# Altium PCB CU-ON-OFF-V2-08-11-18.PcbDoc (part 7 of 14) (continued)
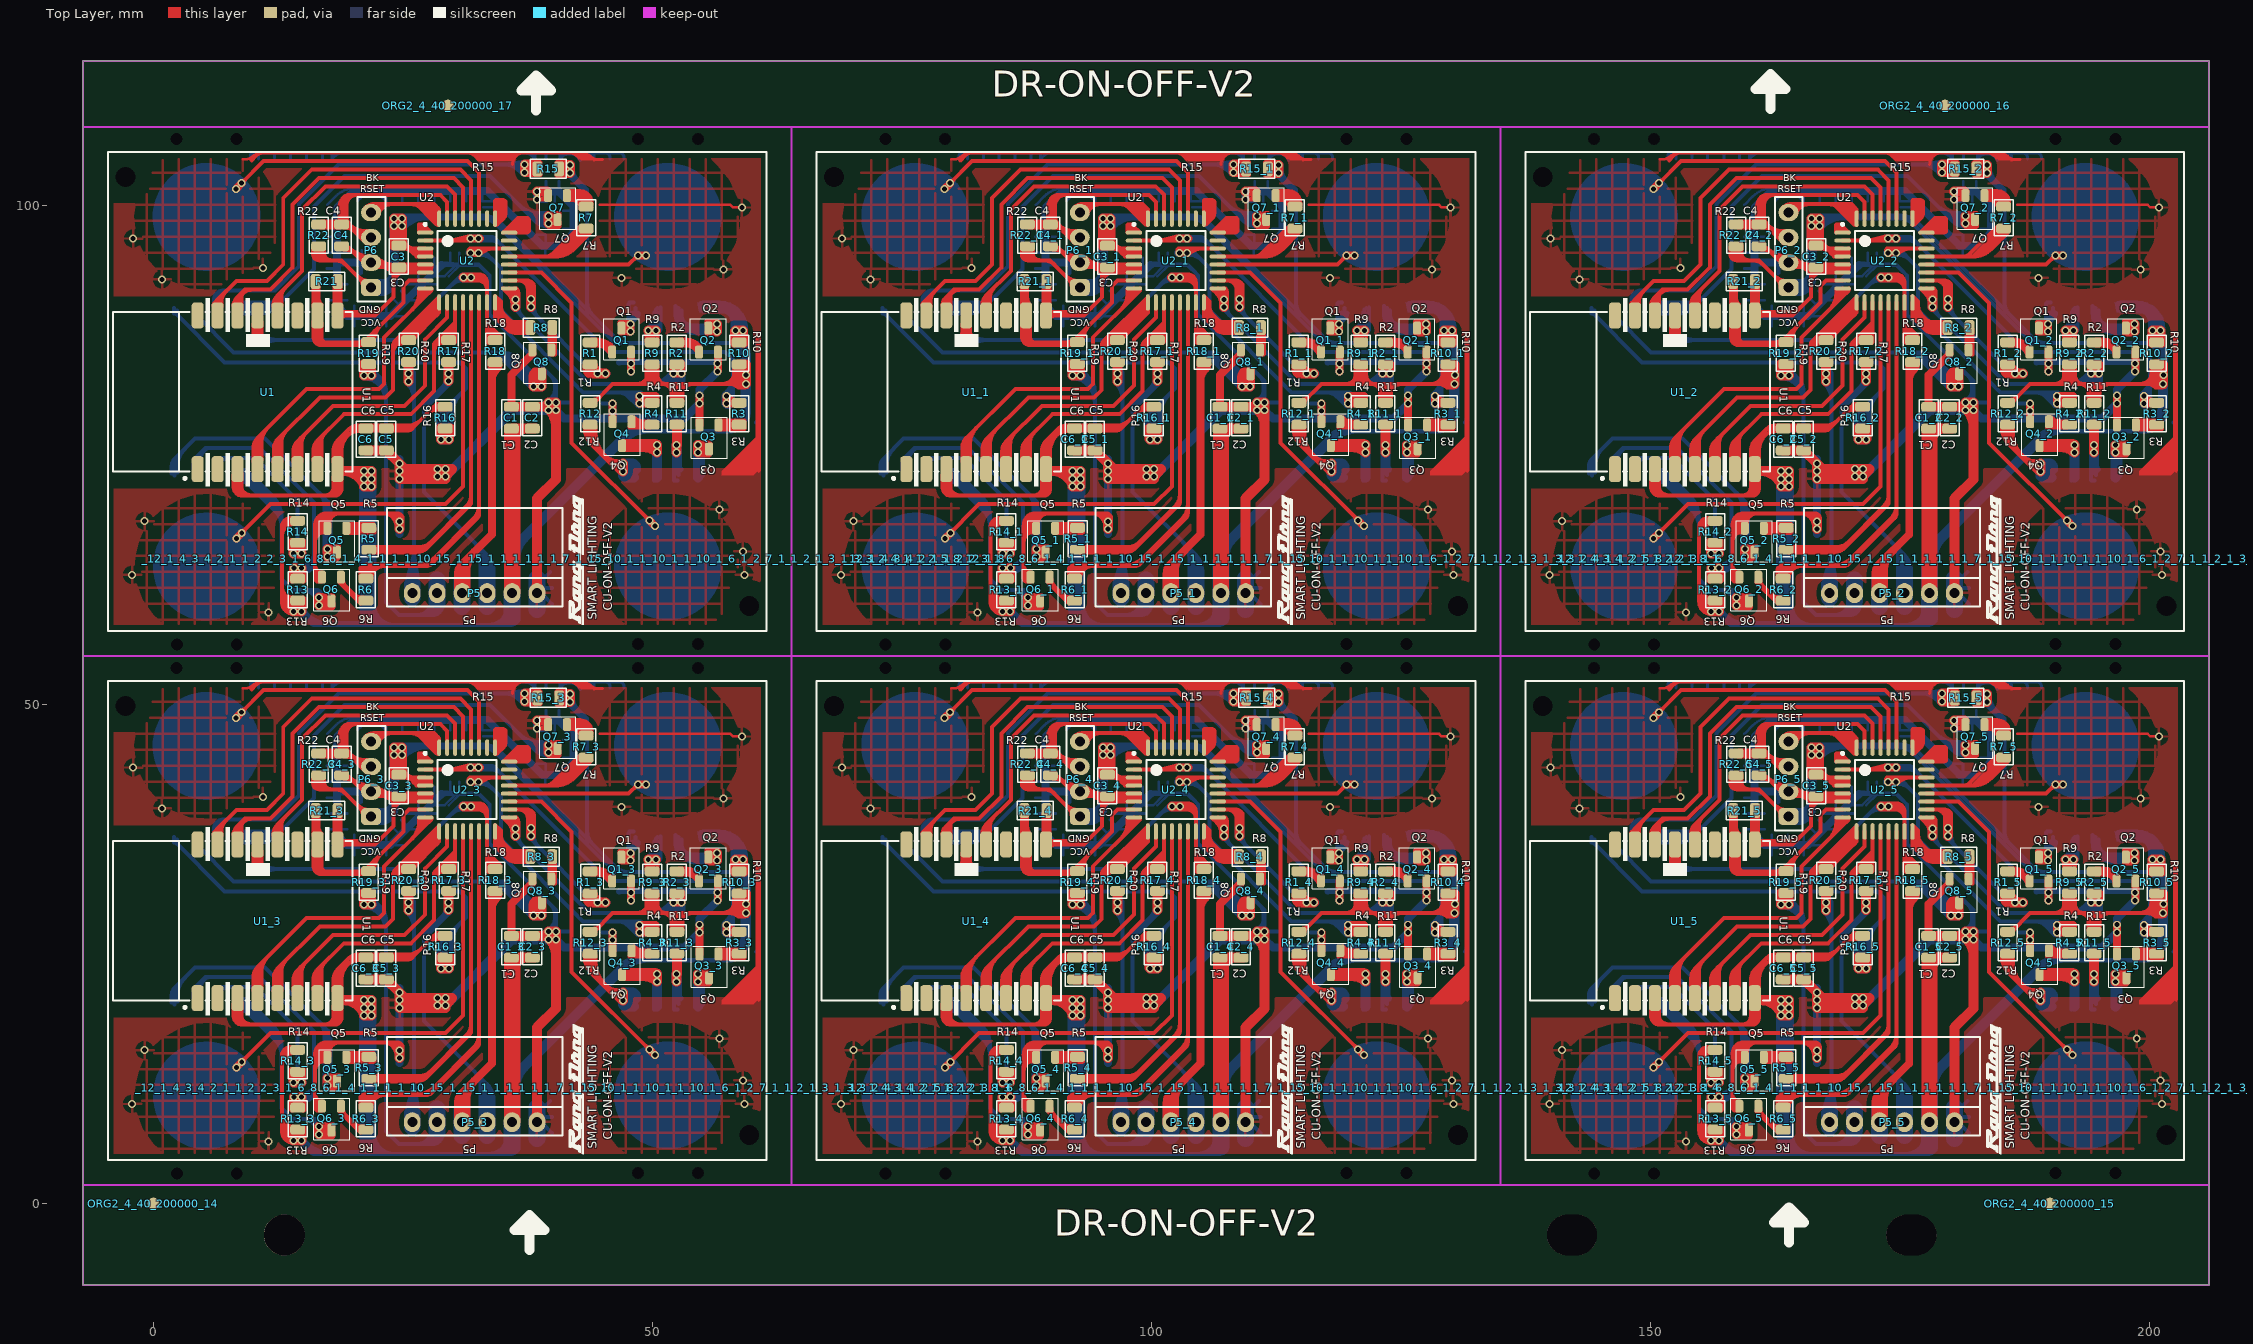
[diagram p0: Top Layer view]
## Nets (pads, with @x,y where several pads share a name; then routed paths per layer and width w, separated by ;. In a path a pad name is that pad's centre, name@x,y a point inside that pad or via, vN(x,y) a via of type N, cw(c..) or ccw(c..) an arc to the next point about the centre after c; other vN are vias at no path point) (continued)
v1@180.116,90.356 180.116,91.929 ccw(c179.689,91.929) 179.991,92.231 ccw(c179.387,91.627) 179.387,92.481 179.291,92.481 ; 180.216,50.057 180.281,50.057 cw(c180.281,49.972) 180.341,50.032 180.706,50.032 ccw(c180.706,50.117) 180.766,50.057 180.766,51.297 ccw(c180.681,51.297) 180.741,51.357 ccw(c180.62,51.236) 180.62,51.407 ; 180.216,103.056 180.281,103.056 cw(c180.281,102.971) 180.341,103.031 180.706,103.031 ccw(c180.706,103.116) 180.766,103.056 180.766,104.296 ccw(c180.681,104.296) 180.741,104.356 ccw(c180.62,104.235) 180.62,104.406 ; 180.238,26.832 cw(c180.238,25.154) 181.424,26.341 cw(c179.876,24.792) 182.066,24.792 ; 180.238,79.831 cw(c180.238,78.153) 181.424,79.34 cw(c179.876,77.791) 182.066,77.791 ; 180.241,24.332 179.259,24.332 ccw(c179.259,23.564) 178.716,24.107 ; 180.241,77.331 179.259,77.331 ccw(c179.259,76.563) 178.716,77.106 ; 180.254,50.445 ccw(c179.742,49.933) 179.742,50.657 ccw(c179.742,51.381) 180.254,50.869 ; 180.254,103.444 ccw(c179.742,102.932) 179.742,103.656 ccw(c179.742,104.38) 180.254,103.868 ; v1(180.416,47.607) 181.691,47.607 181.541,47.757 181.541,47.982 ; v1(180.416,100.606) 181.691,100.606 181.541,100.756 181.541,100.981 ; 180.428,26.62 cw(c180.94,26.108) 180.94,26.832 cw(c180.94,27.556) 180.428,27.044 ; 180.428,79.619 cw(c180.94,79.107) 180.94,79.831 cw(c180.94,80.555) 180.428,80.043 ; 180.466,50.657 179.982,50.657 ; 180.466,103.656 179.982,103.656 ; v1@180.525,47.775 ccw(c180.89,48.337) 181.064,47.689 ; v1@180.525,100.774 ccw(c180.89,101.336) 181.064,100.688 ; v1@180.557,47.466 cw(c180.899,47.124) 180.899,47.607 cw(c180.899,48.09) v1@180.557,47.748 ; v1@180.557,100.465 cw(c180.899,100.123) 180.899,100.606 cw(c180.899,101.089) v1@180.557,100.747 ; v1@180.724,29.023 ccw(c180.262,29.486) 180.916,29.486 ; v1@180.724,82.022 ccw(c180.262,82.485) 180.916,82.485 ; v1@180.756,47.607 ccw(c180.756,48.517) 181.399,47.873 ; v1@180.756,100.606 ccw(c180.756,101.516) 181.399,100.872 ; 180.774,29.741 cw(c180.433,29.399) 180.916,29.399 cw(c181.399,29.399) 181.057,29.741 ; 180.774,82.74 cw(c180.433,82.398) 180.916,82.398 cw(c181.399,82.398) 181.057,82.74 ; 180.916,30.132 180.916,28.907 v1@180.941,28.882 ; 180.916,83.131 180.916,81.906 v1@180.941,81.881 ; 181.023,26.832 ccw(c181.023,27.8) v1@181.707,27.116 ; 181.023,79.831 ccw(c181.023,80.799) v1@181.707,80.115 ; 181.116,30.582 cw(c180.995,30.461) 181.166,30.461 181.166,29.582 ; 181.116,83.581 cw(c180.995,83.46) 181.166,83.46 181.166,82.581 ; 181.204,26.832 cw(c181.204,26.12) 181.707,26.623 cw(c180.842,25.758) 182.066,25.758 ; 181.204,79.831 cw(c181.204,79.119) 181.707,79.622 cw(c180.842,78.757) 182.066,78.757 ; 181.341,41.882 ccw(c181.341,42.848) 182.024,42.165 184.816,44.957 ; 181.341,94.881 ccw(c181.341,95.847) 182.024,95.164 184.816,97.956 ; v1@181.369,27.29 ccw(c181.887,27.204) v1@181.515,26.833 ; v1@181.369,80.289 ccw(c181.887,80.203) v1@181.515,79.832 ; v1@181.405,45.284 cw(c181.962,44.911) 181.962,45.582 ; v1@181.405,98.283 cw(c181.962,97.91) 181.962,98.581 ; v1@181.412,45.827 ccw(c181.906,46.202) 181.906,45.582 ; v1@181.412,98.826 ccw(c181.906,99.201) 181.906,98.581 ; v1@181.566,44.857 182.57,44.857 ccw(c182.57,45.028) 182.691,44.907 182.691,45.332 ; v1@181.566,46.257 182.606,46.257 cw(c182.606,46.172) 182.666,46.232 cw(c182.606,46.172) 182.691,46.172 182.691,45.907 ; v1@181.566,97.856 182.57,97.856 ccw(c182.57,98.027) 182.691,97.906 182.691,98.331 ; v1@181.566,99.256 182.606,99.256 cw(c182.606,99.171) 182.666,99.231 cw(c182.606,99.171) 182.691,99.171 182.691,98.906 ; v1@181.571,45.748 cw(c181.571,45.265) 181.912,45.607 cw(c182.254,45.948) v1@181.771,45.948 ; v1(181.571,45.948) 181.937,45.582 182.491,45.582 ; v1@181.571,98.747 cw(c181.571,98.264) 181.912,98.606 cw(c182.254,98.947) v1@181.771,98.947 ; v1(181.571,98.947) 181.937,98.581 182.491,98.581 ; 181.666,32.632 181.666,34.597 cw(c181.751,34.597) 181.691,34.657 ; 181.666,85.631 181.666,87.596 cw(c181.751,87.596) 181.691,87.656 ; v1@181.679,26.317 cw(c181.851,26.068) 182.066,26.282 cw(c182.832,27.048) v1@181.763,27.224 ; v1@181.679,79.316 cw(c181.851,79.067) 182.066,79.281 cw(c182.832,80.047) v1@181.763,80.223 ; 181.724,32.923 ccw(c181.142,33.506) 181.966,33.506 ; 181.724,85.922 ccw(c181.142,86.505) 181.966,86.505 ; 181.754,34.295 cw(c181.242,33.783) 181.966,33.783 cw(c182.69,33.783) 182.178,34.295 ; 181.754,87.294 cw(c181.242,86.782) 181.966,86.782 cw(c182.69,86.782) 182.178,87.294 ; 181.866,32.082 182.241,32.082 ccw(c182.181,32.142) 182.266,32.142 182.266,34.607 ; 181.866,32.332 181.966,32.432 181.966,34.607 ; 181.866,85.081 182.241,85.081 ccw(c182.181,85.141) 182.266,85.141 182.266,87.606 ; 181.866,85.331 181.966,85.431 181.966,87.606 ; 182.066,25.335 cw(c183.488,25.335) v1@182.482,26.341 ; 182.066,46.232 cw(c182.006,46.172) 182.091,46.172 182.091,44.907 ; 182.066,78.334 cw(c183.488,78.334) v1@182.482,79.34 ; 182.066,99.231 cw(c182.006,99.171) 182.091,99.171 182.091,97.906 ; v1@182.27,26.669 cw(c182.019,27.336) 181.516,26.832 182.341,26.007 ; v1@182.27,79.668 cw(c182.019,80.334) v1@181.516,79.831 ; 182.341,79.006 v1@181.516,79.831 ; 182.349,45.441 ccw(c182.008,45.099) 182.008,45.582 ccw(c182.008,46.065) 182.349,45.723 ; 182.349,98.44 ccw(c182.008,98.098) 182.008,98.581 ccw(c182.008,99.064) 182.349,98.722 ; 182.366,50.257 182.366,50.067 ccw(c182.451,50.067) 182.391,50.007 ccw(c182.512,50.128) 182.512,49.957 182.841,49.957 ; 182.366,103.256 182.366,103.066 ccw(c182.451,103.066) 182.391,103.006 ccw(c182.512,103.127) 182.512,102.956 182.841,102.956 ; 182.391,51.007 182.391,51.122 ccw(c182.306,51.122) 182.366,51.182 182.366,51.247 cw(c182.451,51.247) 182.391,51.307 cw(c182.451,51.247) 182.451,51.332 182.791,51.332 ; 182.391,104.006 182.391,104.121 ccw(c182.306,104.121) 182.366,104.181 182.366,104.246 cw(c182.451,104.246) 182.391,104.306 cw(c182.451,104.246) 182.451,104.331 182.791,104.331 ; 182.666,50.996 182.666,50.657 183.049,51.04 v1(183.722,51.04) ; 182.666,103.995 182.666,103.656 183.049,104.039 v1(183.722,104.039) ; 182.878,50.695 cw(c183.711,49.862) v1@183.711,51.04 ; 182.878,103.694 cw(c183.711,102.861) v1@183.711,104.039 ; 183.216,42.807 185.091,44.682 185.516,44.682 ; 183.216,95.806 185.091,97.681 185.516,97.681 ; 183.248,50.916 cw(c183.376,50.44) v1@183.622,50.867 ; 183.248,103.915 cw(c183.376,103.439) v1@183.622,103.866 ; 183.262,50.92 ccw(c183.14,51.377) v1@183.549,51.14 ; 183.262,103.919 ccw(c183.14,104.375) v1@183.549,104.139 ; 183.291,42.882 182.291,41.882 ; 183.291,47.532 184.104,47.532 cw(c184.104,47.02) 184.466,47.382 184.551,47.297 cw(c183.911,46.657) 184.816,46.657 ; 183.291,95.881 182.291,94.881 ; 183.291,100.531 184.104,100.531 cw(c184.104,100.019) 184.466,100.381 184.551,100.296 cw(c183.911,99.656) 184.816,99.656 ; 183.416,48.307 ccw(c183.416,48.548) 183.587,48.378 cw(c183.718,48.247) 183.718,48.432 184.721,48.432 cw(c184.721,47.237) 185.566,48.082 cw(c184.721,47.237) 185.916,47.237 185.916,47.082 ; 183.416,101.306 ccw(c183.416,101.547) 183.587,101.377 cw(c183.718,101.246) 183.718,101.431 184.721,101.431 cw(c184.721,100.236) 185.566,101.081 cw(c184.721,100.236) 185.916,100.236 185.916,100.081 ; 183.441,47.982 184.416,47.982 ; 183.441,100.981 184.416,100.981 ; v1@183.581,50.899 ccw(c183.24,50.557) 183.24,51.04 ccw(c183.24,51.523) v1@183.581,51.181 ; v1@183.581,103.898 ccw(c183.24,103.556) 183.24,104.039 ccw(c183.24,104.522) v1@183.581,104.18 ; 183.582,47.841 cw(c183.924,47.499) 183.924,47.982 cw(c183.924,48.465) 183.582,48.123 ; 183.582,100.84 cw(c183.924,100.498) 183.924,100.981 cw(c183.924,101.464) 183.582,101.122 ; 184.561,44.152 cw(c185.116,43.597) 185.116,44.382 ; 184.561,97.151 cw(c185.116,96.596) 185.116,97.381 ; 184.621,44.213 ccw(c184.152,44.682) 184.816,44.682 ; 184.621,97.212 ccw(c184.152,97.681) 184.816,97.681 ; 184.817,46.904 ccw(c183.439,47.005) 184.416,47.982 ; 184.817,99.903 ccw(c183.439,100.004) 184.416,100.981 ; 185.216,24.957 185.216,24.76 ; 185.216,30.982 185.216,30.611 ccw(c186.069,30.611) 185.466,30.007 ccw(c185.768,30.309) 185.768,29.882 v1@187.166,29.882 ; 185.216,77.956 185.216,77.759 ; 185.216,83.981 185.216,83.61 ccw(c186.069,83.61) 185.466,83.006 ccw(c185.768,83.308) 185.768,82.881 v1@187.166,82.881 ; 185.441,25.307 185.441,24.44 ccw(c186.124,24.44) 185.641,23.957 ; 185.441,78.306 185.441,77.439 ccw(c186.124,77.439) 185.641,76.956 ; 185.516,46.882 184.416,47.982 ; 185.516,99.881 184.416,100.981 ; 185.554,24.82 cw(c185.042,24.308) 185.766,24.308 cw(c186.49,24.308) 185.978,24.82 ; 185.554,77.819 cw(c185.042,77.307) 185.766,77.307 cw(c186.49,77.307) 185.978,77.819 ; 185.613,30.824 cw(c185.453,30.555) 185.766,30.555 ; 185.613,83.823 cw(c185.453,83.554) 185.766,83.554 ; 185.766,25.032 185.766,23.432 ; 185.766,27.232 186.141,27.232 188.009,29.1 v1(201.358,29.1) v1(201.383,30.025) v1@201.383,30.39 ; 185.766,31.082 185.766,30.555 ; 185.766,33.282 186.991,33.282 187.966,32.307 ; 185.766,78.031 185.766,76.431 ; 185.766,80.231 186.141,80.231 188.009,82.099 v1(201.358,82.099) v1(201.383,83.024) v1@201.383,83.389 ; 185.766,84.081 185.766,83.554 ; 185.766,86.281 186.991,86.281 187.966,85.306 ; 185.891,33.557 186.131,33.557 ccw(c186.131,33.642) 186.191,33.582 186.245,33.582 cw(c186.245,30.936) 188.116,32.807 ; 185.891,44.382 184.169,42.66 cw(c182.291,44.538) 182.291,41.882 ; 185.891,86.556 186.131,86.556 ccw(c186.131,86.641) 186.191,86.581 186.245,86.581 cw(c186.245,83.935) 188.116,85.806 ; 185.891,97.381 184.169,95.659 cw(c182.291,97.537) 182.291,94.881 ; 185.916,32.982 186.531,32.982 cw(c186.531,31.872) 187.316,32.657 187.554,32.419 cw(c187.042,31.907) 187.766,31.907 ; 185.916,85.981 186.531,85.981 cw(c186.531,84.871) 187.316,85.656 187.554,85.418 cw(c187.042,84.906) 187.766,84.906 ; 185.919,30.824 ccw(c186.079,30.555) 185.766,30.555 ; 185.919,83.823 ccw(c186.079,83.554) 185.766,83.554 ; 186.016,25.157 186.016,23.817 ccw(c186.763,23.817) 186.235,23.288 cw(c185.979,23.032) 186.341,23.032 ; 186.016,27.532 ccw(c186.016,28.558) 186.741,27.833 ; 186.016,78.156 186.016,76.816 ccw(c186.763,76.816) 186.235,76.287 cw(c185.979,76.031) 186.341,76.031 ; 186.016,80.531 ccw(c186.016,81.557) 186.741,80.832 ; v1@186.158,30.163 185.766,30.555 ; v1@186.158,83.162 185.766,83.554 ; 186.228,33.07 cw(c186.74,32.558) 186.74,33.282 cw(c186.74,34.006) 186.228,33.494 ; 186.228,86.069 cw(c186.74,85.557) 186.74,86.281 cw(c186.74,87.005) 186.228,86.493 ; 186.316,24.832 186.316,24.152 ccw(c189.382,24.152) 187.214,21.984 187.341,21.857 ccw(c188.427,22.943) 188.427,21.407 v1@189.091,21.407 ; 186.316,27.232 cw(c186.738,27.232) 186.44,27.531 ; 186.316,31.132 ccw(c186.98,31.132) 186.51,30.663 ccw(c187.007,31.159) 187.007,30.457 v1@187.241,30.457 ; 186.316,77.831 186.316,77.151 ccw(c189.382,77.151) 187.214,74.983 187.341,74.856 ccw(c188.427,75.942) 188.427,74.406 v1@189.091,74.406 ; 186.316,80.231 cw(c186.738,80.231) 186.44,80.53 ; 186.316,84.131 ccw(c186.98,84.131) 186.51,83.662 ccw(c187.007,84.158) 187.007,83.456 v1@187.241,83.456 ; v1@186.466,30.364 cw(c186.284,31.073) 185.766,30.555 ; v1@186.466,83.363 cw(c186.284,84.072) 185.766,83.554 ; 187.198,33.075 ccw(c187.966,33.843) 187.966,32.757 ; 187.198,86.074 ccw(c187.966,86.842) 187.966,85.756 ; v1@187.866,26.259 cw(c187.506,25.898) 188.016,25.898 ; v1@187.866,26.541 ccw(c187.506,26.902) v1@188.016,26.902 ; v1@187.866,27.034 cw(c187.506,26.673) v1@188.016,26.673 ; v1@187.866,79.258 cw(c187.506,78.897) 188.016,78.897 ; v1@187.866,79.54 ccw(c187.506,79.901) v1@188.016,79.901 ; v1@187.866,80.033 cw(c187.506,79.672) v1@188.016,79.672 ; 187.874,25.723 ccw(c187.533,26.065) 188.016,26.065 ccw(c188.499,26.065) 188.157,25.723 ; 187.874,78.722 ccw(c187.533,79.064) 188.016,79.064 ccw(c188.499,79.064) 188.157,78.722 ; v1@187.898,26.233 cw(c187.772,26.041) 187.994,25.982 ; v1@187.898,79.232 cw(c187.772,79.04) 187.994,78.981 ; v1(188.008,27.175) v1@188.016,27.167 ; v1(188.008,80.174) v1@188.016,80.166 ; 188.016,25.937 cw(c188.471,25.937) v1@188.149,26.259 ; v1@188.016,26.712 cw(c188.471,26.712) v1@188.149,27.034 ; v1@188.016,26.864 ccw(c188.471,26.864) v1@188.149,26.541 ; 188.016,78.936 cw(c188.471,78.936) v1@188.149,79.258 ; v1@188.016,79.711 cw(c188.471,79.711) v1@188.149,80.033 ; v1@188.016,79.862 ccw(c188.471,79.862) v1@188.149,79.54 ; v1@188.044,26.758 cw(c188.284,26.822) v1@188.131,27.018 ; v1@188.044,79.757 cw(c188.284,79.821) v1@188.131,80.016 ; 188.045,25.956 cw(c188.32,26.029) v1@188.137,26.247 ; 188.045,78.955 cw(c188.32,79.028) v1@188.137,79.246 ; 188.716,34.207 ccw(c188.837,34.328) 188.837,34.157 v1@189.816,34.157 ; 188.716,35.057 188.716,35.307 cw(c188.776,35.247) 188.776,35.332 v1@189.791,35.332 ; 188.716,87.206 ccw(c188.837,87.327) 188.837,87.156 v1@189.816,87.156 ; 188.716,88.056 188.716,88.306 cw(c188.776,88.246) 188.776,88.331 v1@189.791,88.331 ; 188.782,34.808 ccw(c189.13,35.195) 189.498,34.827 ; 188.782,87.807 ccw(c189.13,88.194) 189.498,87.826 ; 188.791,23.182 192.545,23.182 ccw(c192.545,23.353) 192.666,23.232 ccw(c192.304,22.87) 192.304,23.382 188.966,23.382 ; 188.791,76.181 192.545,76.181 ccw(c192.545,76.352) 192.666,76.231 ccw(c192.304,75.869) 192.304,76.381 188.966,76.381 ; v1@188.916,20.984 ccw(c188.575,20.642) 188.575,21.125 ccw(c188.575,21.608) v1@188.916,21.266 ; v1@188.916,73.983 ccw(c188.575,73.641) 188.575,74.124 ccw(c188.575,74.607) v1@188.916,74.265 ; 188.966,22.932 192.39,22.932 v1(192.458,23) ; 188.966,75.931 192.39,75.931 v1(192.458,75.999) ; 189.05,35.106 ccw(c189.413,35.508) v1(189.796,35.125) 189.378,34.707 ; 189.05,88.105 ccw(c189.413,88.507) v1(189.796,88.124) 189.378,87.706 ; v1(189.058,21.125) 188.073,21.125 185.766,23.432 ; v1(189.058,74.124) 188.073,74.124 185.766,76.431 ; 189.062,34.57 cw(c189.378,34.274) 189.378,34.707 ; 189.062,34.844 ccw(c189.378,35.141) 189.378,34.707 ; 189.062,87.569 cw(c189.378,87.272) 189.378,87.706 ; 189.062,87.843 ccw(c189.378,88.139) 189.378,87.706 ; 189.091,22.507 189.106,22.507 cw(c189.106,22.422) 189.166,22.482 191.154,22.482 cw(c191.154,20.946) v1@192.241,22.032 ; 189.091,75.506 189.106,75.506 cw(c189.106,75.421) 189.166,75.481 191.154,75.481 cw(c191.154,73.945) v1@192.241,75.031 ; 189.107,22.791 cw(c189.449,22.449) 189.449,22.932 cw(c189.449,23.415) 189.107,23.073 ; 189.107,75.79 cw(c189.449,75.448) 189.449,75.931 cw(c189.449,76.414) 189.107,76.072 ; 189.21,34.661 ccw(c188.791,35.387) v1@189.602,35.176 ; 189.21,87.66 ccw(c188.791,88.386) v1@189.602,88.174 ; 189.291,22.682 191.623,22.682 cw(c191.623,21.914) v1@192.166,22.457 ; 189.291,75.681 191.623,75.681 cw(c191.623,74.913) v1@192.166,75.456 ; 189.443,34.796 ccw(c189.287,35.066) v1@189.597,35.102 ; 189.443,87.795 ccw(c189.287,88.065) v1@189.597,88.101 ; 189.485,34.707 ccw(c189.485,35.237) v1@189.984,35.057 ; 189.485,87.706 ccw(c189.485,88.236) v1@189.984,88.056 ; 189.548,34.707 cw(c189.548,34.233) v1@189.977,34.436 ; 189.548,87.706 cw(c189.548,87.232) v1@189.977,87.435 ; v1@189.596,35.125 cw(c189.113,35.125) 189.454,34.784 cw(c189.796,34.442) v1@189.796,34.925 ; v1@189.596,88.124 cw(c189.113,88.124) 189.454,87.783 cw(c189.796,87.441) v1@189.796,87.924 ; v1@189.608,35.193 cw(c188.916,35.442) 188.916,34.707 ; v1@189.608,88.192 cw(c188.916,88.441) 188.916,87.706 ; v1@189.615,34.264 ccw(c188.916,33.933) 188.916,34.707 ; v1@189.615,87.263 ccw(c188.916,86.932) 188.916,87.706 ; v1@189.716,30.516 ccw(c189.356,30.877) v1@189.866,30.877 ; v1@189.716,31.009 cw(c189.356,30.648) v1@189.866,30.648 ; v1@189.716,31.291 ccw(c189.356,31.652) 189.866,31.652 ; v1@189.716,83.515 ccw(c189.356,83.876) v1@189.866,83.876 ; v1@189.716,84.008 cw(c189.356,83.647) v1@189.866,83.647 ; v1@189.716,84.29 ccw(c189.356,84.651) 189.866,84.651 ; 189.724,31.916 cw(c189.383,31.574) 189.866,31.574 cw(c190.349,31.574) 190.007,31.916 ; 189.724,84.915 cw(c189.383,84.573) 189.866,84.573 cw(c190.349,84.573) 190.007,84.915 ; 189.741,25.032 189.741,24.817 cw(c189.656,24.817) 189.716,24.757 ccw(c189.776,24.817) 189.776,24.732 191.741,24.732 ; 189.741,78.031 189.741,77.816 cw(c189.656,77.816) 189.716,77.756 ccw(c189.776,77.816) 189.776,77.731 191.741,77.731 ; v1@189.866,30.686 cw(c190.321,30.686) v1@189.999,31.009 ; v1@189.866,30.839 ccw(c190.321,30.839) v1@189.999,30.516 ; 189.866,31.614 ccw(c190.321,31.614) v1@189.999,31.291 ; v1@189.866,83.685 cw(c190.321,83.685) v1@189.999,84.008 ; v1@189.866,83.838 ccw(c190.321,83.838) v1@189.999,83.515 ; 189.866,84.613 ccw(c190.321,84.613) v1@189.999,84.29 ; v1@189.894,30.792 ccw(c190.134,30.728) v1@189.981,30.533 ; v1@189.894,83.791 ccw(c190.134,83.727) v1@189.981,83.532 ; 189.916,25.332 191.666,25.332 ; 189.916,78.331 191.666,78.331 ; 190.057,25.191 cw(c190.399,24.849) 190.399,25.332 cw(c190.399,25.815) 190.057,25.473 ; 190.057,78.19 cw(c190.399,77.848) 190.399,78.331 cw(c190.399,78.814) 190.057,78.472 ; 190.166,25.757 ccw(c191.192,26.783) 191.192,25.332 191.666,25.332 ; 190.166,78.756 ccw(c191.192,79.782) 191.192,78.331 191.666,78.331 ; 190.182,41.644 cw(c190.558,41.269) v1@190.558,41.8 ; 190.182,94.643 cw(c190.558,94.268) v1@190.558,94.799 ; 190.231,41.693 ccw(c189.923,42) v1@190.358,42 ; 190.231,94.692 ccw(c189.923,94.999) v1@190.358,94.999 ; 190.267,25.332 cw(c190.267,23.584) 191.504,24.82 ; 190.267,78.331 cw(c190.267,76.583) 191.504,77.819 ; 190.391,29.1 190.404,29.1 ccw(c190.404,30.319) 191.266,29.457 ccw(c190.904,29.819) 191.416,29.819 191.416,31.107 ; 190.391,82.099 190.404,82.099 ccw(c190.404,83.318) 191.266,82.456 ccw(c190.904,82.818) 191.416,82.818 191.416,84.106 ; 190.585,25.247 ccw(c190.48,24.852) 190.101,25.006 191.382,25.006 cw(c191.382,24.923) 191.441,24.982 ; 190.585,78.246 ccw(c190.48,77.851) 190.101,78.005 191.382,78.005 cw(c191.382,77.922) 191.441,77.981 ; v1(190.694,27.139) 190.788,27.232 191.966,27.232 ; v1(190.694,80.137) 190.788,80.231 191.966,80.231 ; v1@190.794,27.312 ccw(c191.013,27.69) 191.126,27.268 ; v1@190.794,80.311 ccw(c191.013,80.689) 191.126,80.267 ; v1@190.836,26.997 cw(c191.403,26.43) 191.403,27.232 ; v1@190.836,79.996 cw(c191.403,79.429) 191.403,80.231 ; v1@190.868,27.039 cw(c191.325,26.774) 191.189,27.285 ; v1@190.868,80.037 cw(c191.325,79.773) 191.189,80.284 ; 191.233,25.332 cw(c191.233,24.549) 191.787,25.103 ; 191.233,78.331 cw(c191.233,77.548) 191.787,78.102 ; v1@191.316,34.357 cw(c191.074,34.116) 191.416,34.116 191.416,33.382 ; v1@191.316,87.356 cw(c191.074,87.115) 191.416,87.115 191.416,86.381 ; v1@191.454,34.322 cw(c190.528,33.222) 191.966,33.222 ; v1@191.454,87.321 cw(c190.528,86.221) 191.966,86.221 ; 191.504,27.02 ccw(c190.992,26.508) 190.992,27.232 ccw(c190.992,27.956) 191.504,27.444 ; 191.504,80.019 ccw(c190.992,79.507) 190.992,80.231 ccw(c190.992,80.955) 191.504,80.443 ; v1@191.505,34.291 ccw(c191.71,34.777) v1@192.174,34.525 ; v1@191.505,87.29 ccw(c191.71,87.776) v1@192.174,87.524 ; v1@191.508,15.425 ccw(c191.025,15.425) 191.366,15.766 ccw(c191.708,16.108) v1@191.708,15.625 ; v1@191.508,68.424 ccw(c191.025,68.424) 191.366,68.765 ccw(c191.708,69.107) v1@191.708,68.624 ; v1@191.583,34.275 cw(c191.583,33.792) 191.924,34.134 cw(c192.266,34.475) v1@191.783,34.475 ; v1(191.583,34.475) 191.966,34.092 191.966,33.282 ; v1@191.583,87.274 cw(c191.583,86.791) 191.924,87.133 cw(c192.266,87.474) v1@191.783,87.474 ; v1(191.583,87.474) 191.966,87.091 191.966,86.281 ; v1@191.676,15.228 cw(c191.581,14.642) v1@192.095,14.938 ; v1@191.676,68.227 cw(c191.581,67.641) v1@192.095,67.937 ; v1@191.708,15.225 cw(c191.708,14.742) 192.049,15.084 cw(c192.391,15.425) v1@191.908,15.425 ; v1@191.708,68.224 cw(c191.708,67.741) 192.049,68.083 cw(c192.391,68.424) v1@191.908,68.424 ; v1@191.712,34.628 cw(c191.252,34.082) 191.966,34.082 ; v1@191.712,87.627 cw(c191.252,87.081) 191.966,87.081 ; 191.754,30.87 cw(c191.242,30.358) 191.966,30.358 cw(c192.69,30.358) 192.178,30.87 ; 191.754,33.494 ccw(c191.242,34.006) 191.966,34.006 ccw(c192.69,34.006) 192.178,33.494 ; 191.754,83.869 cw(c191.242,83.357) 191.966,83.357 cw(c192.69,83.357) 192.178,83.869 ; 191.754,86.493 ccw(c191.242,87.005) 191.966,87.005 ccw(c192.69,87.005) 192.178,86.493 ; 191.811,22.932 ccw(c191.811,23.647) v1@192.316,23.141 ; 191.811,75.931 ccw(c191.811,76.646) v1@192.316,76.14 ; v1@191.899,15.234 ccw(c192.283,15.618) v1@192.283,15.075 ; v1@191.899,68.233 ccw(c192.283,68.617) v1@192.283,68.074 ; v1@191.905,15.461 ccw(c192.459,15.561) v1@192.177,15.073 ; v1@191.905,68.46 ccw(c192.459,68.56) v1@192.177,68.072 ; v1@191.959,15.174 cw(c191.66,14.875) v1@192.083,14.875 ; v1@191.959,68.173 cw(c191.66,67.874) v1@192.083,67.874 ; 191.966,25.032 191.666,25.332 ; 191.966,29.207 191.966,31.082 ; 191.966,33.219 cw(c193.394,33.219) v1@192.485,34.321 ; 191.966,34.068 cw(c192.694,34.068) v1@192.231,34.629 ; 191.966,78.031 191.666,78.331 ; 191.966,82.206 191.966,84.081 ; 191.966,86.218 cw(c193.394,86.218) v1@192.485,87.32 ; 191.966,87.067 cw(c192.694,87.067) v1@192.231,87.628 ; 192.516,31.007 192.516,29.996 ccw(c193.455,29.996) 192.791,29.332 ccw(c193.351,29.892) 193.351,29.1 193.816,29.1 ; 192.516,33.207 192.516,34.08 cw(c192.943,34.08) v1@192.641,34.382 ; 192.516,84.006 192.516,82.995 ccw(c193.455,82.995) 192.791,82.331 ccw(c193.351,82.891) 193.351,82.099 193.816,82.099 ; 192.516,86.206 192.516,87.079 cw(c192.943,87.079) v1@192.641,87.381 ; 193.066,29.1 cw(c193.066,28.238) 193.675,28.848 cw(c193.155,28.327) 193.891,28.327 193.891,27.382 ; 193.066,82.099 cw(c193.066,81.237) 193.675,81.847 cw(c193.155,81.326) 193.891,81.326 193.891,80.381 ; v1@194.027,30.332 ccw(c193.556,31.082) 194.441,31.082 ; v1@194.027,83.331 ccw(c193.556,84.081) 194.441,84.081 ; v1@194.074,30.354 ccw(c193.872,31.014) 194.539,30.835 ; v1@194.074,83.353 ccw(c193.872,84.013) 194.539,83.834 ; v1(194.133,30.163) 194.441,30.471 ; v1(194.133,83.162) 194.441,83.47 ; v1@194.148,30.362 ccw(c194.176,30.736) 194.441,30.471 ; v1@194.148,83.361 ccw(c194.176,83.735) 194.441,83.47 ; 194.229,24.82 cw(c193.717,24.308) 194.441,24.308 cw(c195.165,24.308) 194.653,24.82 ; 194.229,27.444 ccw(c193.717,27.956) 194.441,27.956 ccw(c195.165,27.956) 194.653,27.444 ; 194.229,77.819 cw(c193.717,77.307) 194.441,77.307 cw(c195.165,77.307) 194.653,77.819 ; 194.229,80.443 ccw(c193.717,80.955) 194.441,80.955 ccw(c195.165,80.955) 194.653,80.443 ; 194.257,30.845 cw(c193.969,30.471) 194.441,30.471 ; 194.257,83.844 cw(c193.969,83.47) 194.441,83.47 ; v1@194.291,23.141 ccw(c193.931,23.502) 194.441,23.502 ; v1@194.291,76.14 ccw(c193.931,76.501) 194.441,76.501 ; v1@194.332,30.178 cw(c194.706,30.206) 194.441,30.471 ; v1@194.332,83.177 cw(c194.706,83.205) 194.441,83.47 ; v1(194.433,23) 194.441,23.008 194.441,25.032 ; v1(194.433,75.999) 194.441,76.007 194.441,78.031 ; 194.441,23.464 ccw(c194.896,23.464) v1@194.574,23.141 ; 194.441,27.232 194.441,29.032 ; 194.441,30.531 ccw(c195.028,30.531) v1@194.846,29.973 ; 194.441,33.282 195.691,33.282 ; 194.441,76.463 ccw(c194.896,76.463) v1@194.574,76.14 ; 194.441,80.231 194.441,82.031 ; 194.441,83.53 ccw(c195.028,83.53) v1@194.846,82.972 ; 194.441,86.281 195.691,86.281 ; 194.616,32.982 195.367,32.982 cw(c195.367,31.718) 196.261,32.612 cw(c195.706,32.057) 196.491,32.057 ; 194.616,85.981 195.367,85.981 cw(c195.367,84.717) 196.261,85.611 cw(c195.706,85.056) 196.491,85.056 ; 194.624,30.845 ccw(c194.913,30.471) 194.441,30.471 ; 194.624,83.844 ccw(c194.913,83.47) 194.441,83.47 ; 194.641,33.557 194.751,33.557 ; 194.641,86.556 194.751,86.556 ; 194.903,33.07 cw(c195.415,32.558) 195.415,33.282 cw(c195.415,34.006) 194.903,33.494 ; 194.903,86.069 cw(c195.415,85.557) 195.415,86.281 cw(c195.415,87.005) 194.903,86.493 ; v1@194.97,30.353 cw(c195.207,31.082) 194.441,31.082 ; v1@194.97,83.352 cw(c195.207,84.081) 194.441,84.081 ; 195.898,33.075 ccw(c196.666,33.843) 196.666,32.757 ; 195.898,86.074 ccw(c196.666,86.842) 196.666,85.756 ; 196.141,29.1 195.919,29.1 ; 196.141,82.099 195.919,82.099 ; v1@196.414,22.892 ccw(c196.935,23.225) 196.935,22.607 ; v1@196.414,75.891 ccw(c196.935,76.224) 196.935,75.606 ; v1@196.416,22.335 cw(c196.922,22.001) 196.922,22.607 ; v1@196.416,75.334 cw(c196.922,75) 196.922,75.606 ; 196.574,25.398 ccw(c196.233,25.74) 196.716,25.74 ccw(c197.199,25.74) 196.857,25.398 ; 196.574,78.397 ccw(c196.233,78.739) 196.716,78.739 ccw(c197.199,78.739) 196.857,78.397 ; v1@196.578,27.02 cw(c196.247,26.688) 196.716,26.688 ; v1@196.578,27.303 ccw(c196.247,27.635) v1@196.716,27.635 ; v1@196.578,27.795 cw(c196.247,27.463) v1@196.716,27.463 ; v1@196.578,80.019 cw(c196.247,79.687) 196.716,79.687 ; v1@196.578,80.302 ccw(c196.247,80.634) v1@196.716,80.634 ; v1@196.578,80.794 cw(c196.247,80.462) v1@196.716,80.462 ; v1(196.583,22.225) 196.965,22.607 197.666,22.607 ; v1@196.583,22.425 ccw(c196.583,22.908) 196.924,22.566 ccw(c197.266,22.225) v1@196.783,22.225 ; v1(196.583,75.224) 196.965,75.606 197.666,75.606 ; v1@196.583,75.424 ccw(c196.583,75.907) 196.924,75.565 ccw(c197.266,75.224) v1@196.783,75.224 ; v1@196.599,27.777 cw(c196.456,27.586) v1@196.686,27.524 ; v1@196.599,80.776 cw(c196.456,80.585) v1@196.686,80.523 ; 196.666,32.307 195.691,33.282 ; 196.666,32.882 ccw(c195.7,31.916) 195.7,33.282 195.691,33.282 ; 196.666,85.306 195.691,86.281 ; 196.666,85.881 ccw(c195.7,84.915) 195.7,86.281 195.691,86.281 ; 196.716,26.669 cw(c197.212,26.669) v1@196.861,27.02 ; v1@196.716,27.444 cw(c197.212,27.444) v1@196.861,27.795 ; v1@196.716,27.654 ccw(c197.212,27.654) v1@196.861,27.303 ; v1@196.716,27.933 v1(196.72,27.937) ; 196.716,79.668 cw(c197.212,79.668) v1@196.861,80.019 ; v1@196.716,80.443 cw(c197.212,80.443) v1@196.861,80.794 ; v1@196.716,80.653 ccw(c197.212,80.653) v1@196.861,80.302 ; v1@196.716,80.932 v1(196.72,80.936) ; v1@196.75,22.115 cw(c197.666,21.508) 197.666,22.607 ; v1@196.75,75.114 cw(c197.666,74.507) 197.666,75.606 ; v1@196.751,23.108 ccw(c197.666,23.692) 197.666,22.607 ; v1@196.751,76.107 ccw(c197.666,76.691) 197.666,75.606 ; 197.416,34.332 197.416,34.228 ccw(c197.587,34.228) 197.466,34.107 ccw(c197.587,34.228) 197.587,34.057 v1@198.491,34.057 ; 197.416,35.082 197.416,35.347 cw(c197.501,35.347) 197.441,35.407 cw(c197.501,35.347) 197.501,35.432 v1@198.491,35.432 ; 197.416,87.331 197.416,87.227 ccw(c197.587,87.227) 197.466,87.106 ccw(c197.587,87.227) 197.587,87.056 v1@198.491,87.056 ; 197.416,88.081 197.416,88.346 cw(c197.501,88.346) 197.441,88.406 cw(c197.501,88.346) 197.501,88.431 v1@198.491,88.431 ; 197.525,22.466 ccw(c197.183,22.124) 197.183,22.607 ccw(c197.183,23.09) 197.525,22.748 ; 197.525,75.465 ccw(c197.183,75.123) 197.183,75.606 ccw(c197.183,76.089) 197.525,75.747 ; 197.688,34.817 cw(c197.453,33.939) v1@198.297,34.276 ; 197.688,87.816 cw(c197.453,86.938) v1@198.297,87.275 ; 197.757,34.566 cw(c198.099,34.224) 198.099,34.707 cw(c198.099,35.19) 197.757,34.848 ; 197.757,87.565 cw(c198.099,87.223) 198.099,87.706 cw(c198.099,88.189) 197.757,87.847 ; 198.177,34.707 ccw(c198.177,35.231) v1@198.672,35.06 ; 198.177,87.706 ccw(c198.177,88.23) v1@198.672,88.059 ; 198.239,34.707 cw(c198.239,34.238) v1@198.665,34.433 ; 198.239,87.706 cw(c198.239,87.237) v1@198.665,87.432 ; v1@198.283,34.35 ccw(c197.8,34.35) 198.141,34.691 ccw(c198.483,35.033) v1@198.483,34.55 ; v1@198.283,87.349 ccw(c197.8,87.349) 198.141,87.69 ccw(c198.483,88.032) v1@198.483,87.549 ; v1@198.294,35.19 cw(c197.616,35.424) 197.616,34.707 ; v1@198.294,88.189 cw(c197.616,88.423) 197.616,87.706 ; v1@198.301,34.267 ccw(c197.616,33.954) 197.616,34.707 ; v1@198.301,87.266 ccw(c197.616,86.953) 197.616,87.706 ; v1@198.403,30.516 ccw(c198.011,30.909) v1@198.566,30.909 ; v1@198.403,31.009 cw(c198.011,30.617) v1@198.566,30.617 ; v1@198.403,31.291 ccw(c198.011,31.684) 198.566,31.684 ; v1@198.403,83.515 ccw(c198.011,83.908) v1@198.566,83.908 ; v1@198.403,84.008 cw(c198.011,83.616) v1@198.566,83.616 ; v1@198.403,84.29 ccw(c198.011,84.683) 198.566,84.683 ; 198.424,31.916 cw(c198.083,31.574) 198.566,31.574 cw(c199.049,31.574) 198.707,31.916 ; 198.424,84.915 cw(c198.083,84.573) 198.566,84.573 cw(c199.049,84.573) 198.707,84.915 ; v1(198.483,34.35) 198.126,34.707 197.616,34.707 ; v1(198.483,87.349) 198.126,87.706 197.616,87.706 ; v1(198.545,30.375) v1@198.566,30.396 ; v1(198.545,83.374) v1@198.566,83.395